# Altium PCB AiwacA33.PcbDoc (part 11 of 14)
Units mm, origin at the board's own origin, x right, y up, seen from the top; angles counter-clockwise.
Board outline 84.06 x 74 mm, 2 copper layers (Top Layer, Bottom Layer); 141 components, 152 nets, 23205 pads, 852 vias.
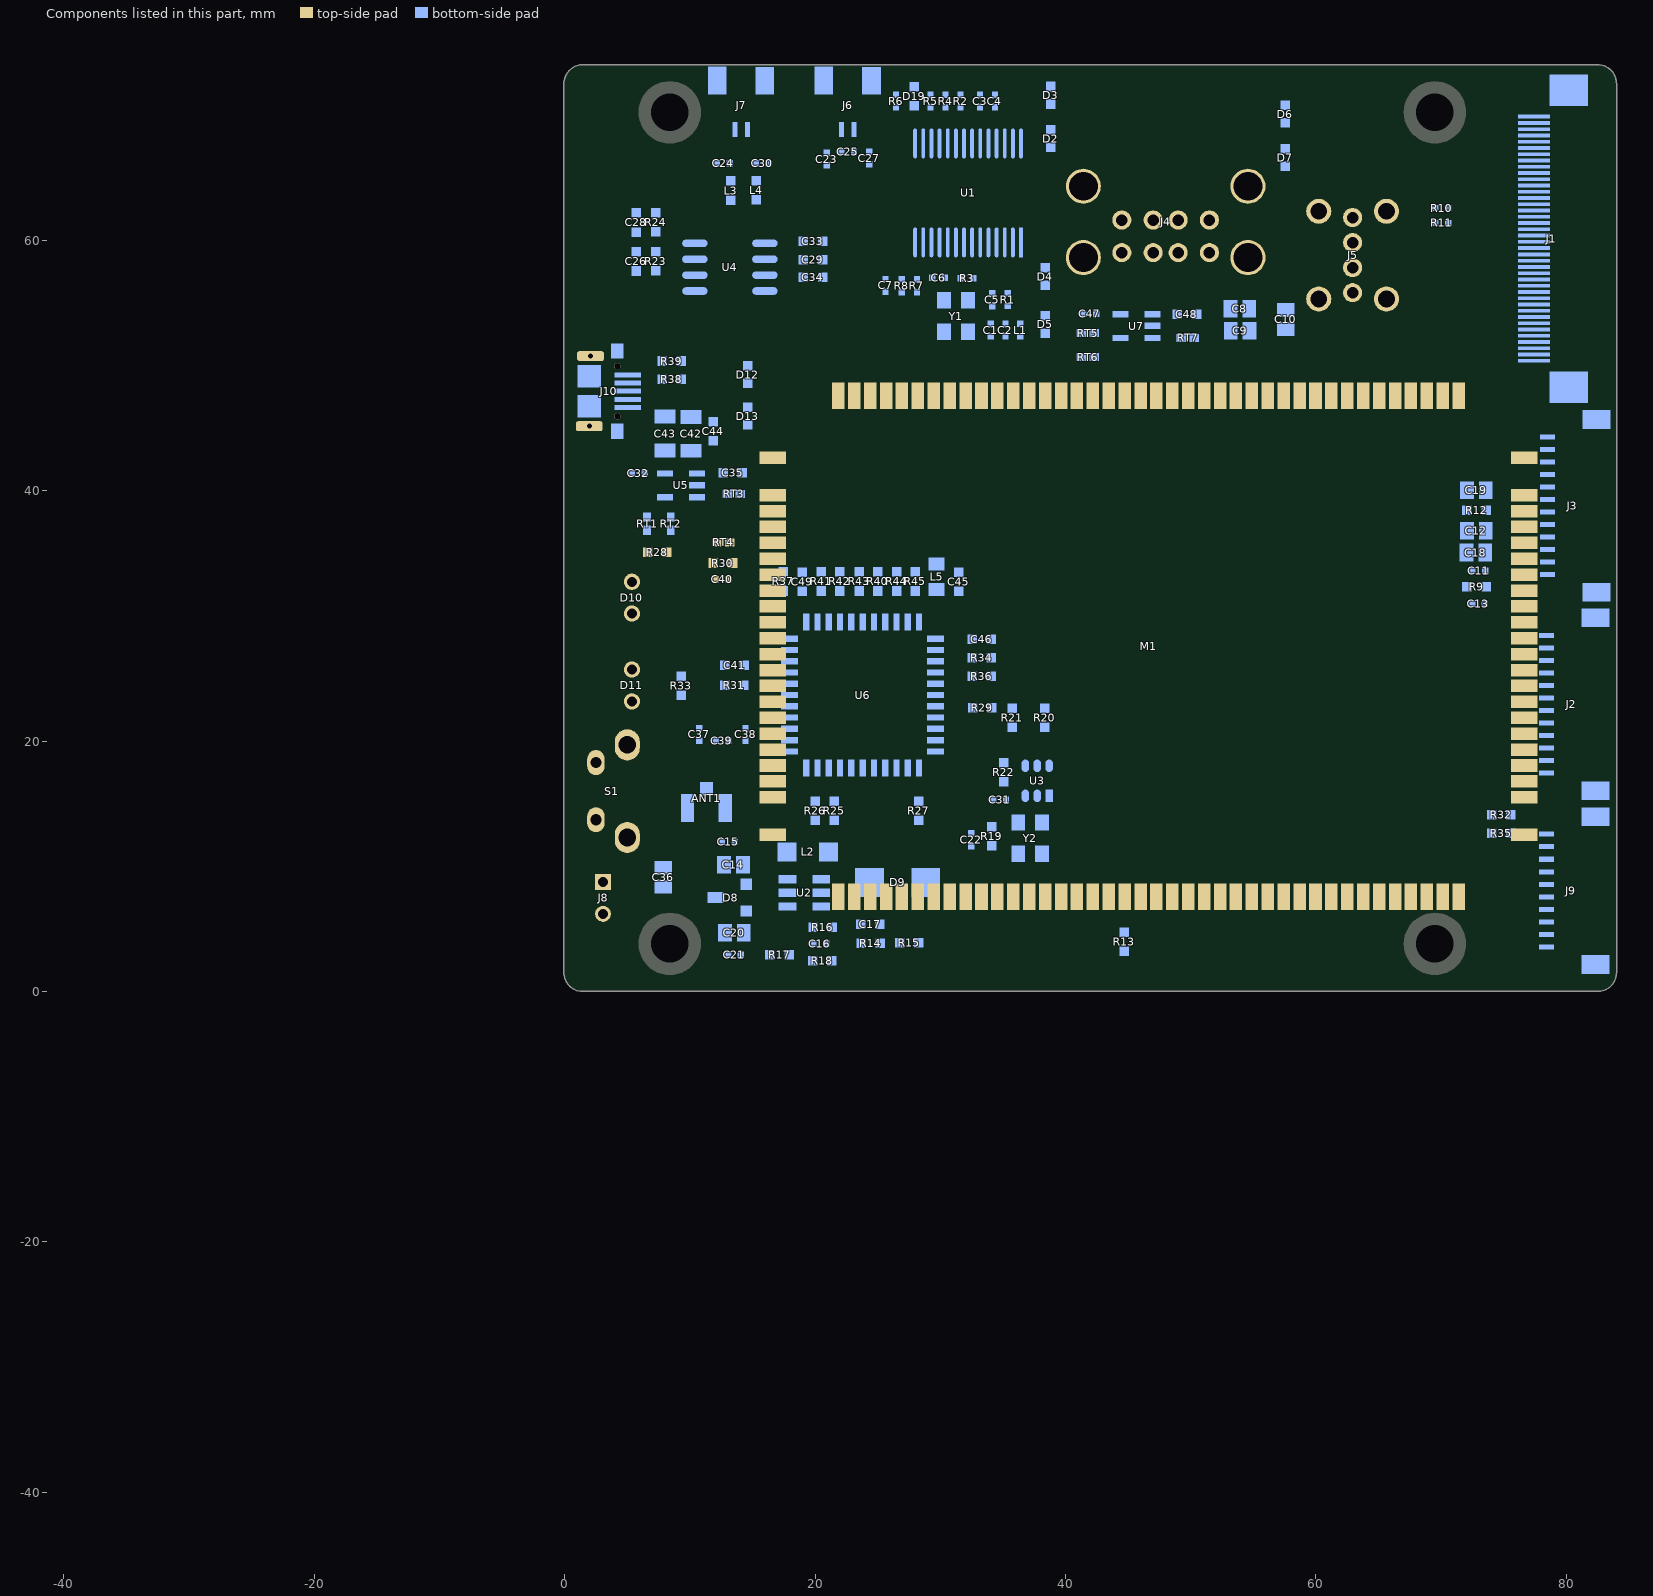
[diagram p11: the components of this part, seen from the top]

## Free pads (board coordinates) (continued)
  round 0 on Mech16: 1(-39.05,-44.101) 1(-39.05,-44.101) 1(-39.05,-44.101) 1(-39.05,-44.098) 1(-39.05,-44.098) 1(-39.05,-44.098) 1(-39.05,-44.112) 1(-39.05,-44.112) 1(-39.05,-44.112) 1(-39.049,-44.142) 1(-39.049,-44.142) 1(-39.049,-44.142) 1(-39.049,-44.146) 1(-39.049,-44.146) 1(-39.049,-44.146) 1(-39.049,-44.111) 1(-39.049,-44.111) 1(-39.049,-44.111) 1(-39.049,-44.103) 1(-39.049,-44.103) 1(-39.049,-44.103) 1(-39.048,-44.137) 1(-39.048,-44.137) 1(-39.048,-44.137) 1(-39.048,-44.133) 1(-39.048,-44.133) 1(-39.048,-44.133) 1(-39.048,-44.124) 1(-39.048,-44.124) 1(-39.048,-44.124) 1(-39.048,-44.099) 1(-39.048,-44.099) 1(-39.048,-44.099) 1(-39.048,-44.13) 1(-39.048,-44.13) 1(-39.048,-44.13) 1(-39.048,-44.116) 1(-39.048,-44.116) 1(-39.048,-44.116) 1(-39.047,-44.137) 1(-39.047,-44.137) 1(-39.047,-44.137) 1(-39.047,-44.119) 1(-39.047,-44.119) 1(-39.047,-44.119) 1(-39.047,-44.108) 1(-39.047,-44.108) 1(-39.047,-44.108) 1(-39.047,-44.106) 1(-39.047,-44.106) 1(-39.047,-44.106) 1(-39.047,-44.145) 1(-39.047,-44.145) 1(-39.047,-44.145) 1(-39.047,-44.122) 1(-39.047,-44.122) 1(-39.047,-44.122) 1(-39.047,-44.142) 1(-39.047,-44.142) 1(-39.047,-44.142) 1(-39.047,-44.127) 1(-39.047,-44.127) 1(-39.047,-44.127) 1(-39.047,-44.113) 1(-39.047,-44.113) 1(-39.047,-44.113) 1(-39.046,-44.109) 1(-39.046,-44.109) 1(-39.046,-44.109) 1(-39.046,-44.105) 1(-39.046,-44.105) 1(-39.046,-44.105) 1(-39.046,-44.099) 1(-39.046,-44.099) 1(-39.046,-44.099) 1(-39.046,-44.139) 1(-39.046,-44.139) 1(-39.046,-44.139) 1(-39.046,-44.137) 1(-39.046,-44.137) 1(-39.046,-44.137) 1(-39.046,-44.136) 1(-39.046,-44.136) 1(-39.046,-44.136) 1(-39.046,-44.134) 1(-39.046,-44.134) 1(-39.046,-44.134) 1(-39.045,-44.102) 1(-39.045,-44.102) 1(-39.045,-44.102) 1(-39.045,-44.114) 1(-39.045,-44.114) 1(-39.045,-44.114) 1(-39.045,-44.111) 1(-39.045,-44.111) 1(-39.045,-44.111) 1(-39.045,-44.144) 1(-39.045,-44.144) 1(-39.045,-44.144) 1(-39.045,-44.147) 1(-39.045,-44.147) 1(-39.045,-44.147) 1(-39.045,-44.151) 1(-39.045,-44.151) 1(-39.045,-44.151) 1(-39.045,-44.097) 1(-39.045,-44.097) 1(-39.045,-44.097) 1(-39.045,-44.131) 1(-39.045,-44.131) 1(-39.045,-44.131) 1(-39.045,-44.127) 1(-39.045,-44.127) 1(-39.045,-44.127) 1(-39.045,-44.13) 1(-39.045,-44.13) 1(-39.045,-44.13) 1(-39.045,-44.128) 1(-39.045,-44.128) 1(-39.045,-44.128) 1(-39.045,-44.105) 1(-39.045,-44.105) 1(-39.045,-44.105) 1(-39.044,-44.109) 1(-39.044,-44.109) 1(-39.044,-44.109) 1(-39.044,-44.118) 1(-39.044,-44.118) 1(-39.044,-44.118) 1(-39.044,-44.1) 1(-39.044,-44.1) 1(-39.044,-44.1) 1(-39.044,-44.094) 1(-39.044,-44.094) 1(-39.044,-44.094) 1(-39.044,-44.148) 1(-39.044,-44.148) 1(-39.044,-44.148) 1(-39.043,-44.112) 1(-39.043,-44.112) 1(-39.043,-44.112) 1(-39.043,-44.145) 1(-39.043,-44.145) 1(-39.043,-44.145) 1(-39.043,-44.125) 1(-39.043,-44.125) 1(-39.043,-44.125) 1(-39.043,-44.134) 1(-39.043,-44.134) 1(-39.043,-44.134) 1(-39.042,-44.141) 1(-39.042,-44.141) 1(-39.042,-44.141) 1(-39.042,-44.138) 1(-39.042,-44.138) 1(-39.042,-44.138) 1(-39.042,-44.132) 1(-39.042,-44.132) 1(-39.042,-44.132) 1(-39.042,-44.13) 1(-39.042,-44.13) 1(-39.042,-44.13) 1(-39.042,-44.106) 1(-39.042,-44.106) 1(-39.042,-44.106) 1(-39.042,-44.124) 1(-39.042,-44.124) 1(-39.042,-44.124) 1(-39.042,-44.128) 1(-39.042,-44.128) 1(-39.042,-44.128) 1(-39.042,-44.114) 1(-39.042,-44.114) 1(-39.042,-44.114) 1(-39.042,-44.115) 1(-39.042,-44.115) 1(-39.042,-44.115) 1(-39.042,-44.144) 1(-39.042,-44.144) 1(-39.042,-44.144) 1(-39.042,-44.133) 1(-39.042,-44.133) 1(-39.042,-44.133) 1(-39.042,-44.136) 1(-39.042,-44.136) 1(-39.042,-44.136) 1(-39.042,-44.103) 1(-39.042,-44.103) 1(-39.042,-44.103) 1(-39.042,-44.138) 1(-39.042,-44.138) 1(-39.042,-44.138) 1(-39.041,-44.111) 1(-39.041,-44.111) 1(-39.041,-44.111) 1(-39.041,-44.146) 1(-39.041,-44.146) 1(-39.041,-44.146) 1(-39.041,-44.101) 1(-39.041,-44.101) 1(-39.041,-44.101) 1(-39.041,-44.148) 1(-39.041,-44.148) 1(-39.041,-44.148) 1(-39.04,-44.141) 1(-39.04,-44.141) 1(-39.04,-44.141) 1(-39.04,-44.11) 1(-39.04,-44.11) 1(-39.04,-44.11) 1(-39.04,-44.1) 1(-39.04,-44.1) 1(-39.04,-44.1) 1(-39.039,-44.15) 1(-39.039,-44.15) 1(-39.039,-44.15) 1(-39.039,-44.121) 1(-39.039,-44.121) 1(-39.039,-44.121) 1(-39.039,-44.118) 1(-39.039,-44.118) 1(-39.039,-44.118) 1(-39.039,-44.116) 1(-39.039,-44.116) 1(-39.039,-44.116) 1(-39.039,-44.123) 1(-39.039,-44.123) 1(-39.039,-44.123) 1(-39.039,-44.119) 1(-39.039,-44.119) 1(-39.039,-44.119) 1(-39.039,-44.137) 1(-39.039,-44.137) 1(-39.039,-44.137) 1(-39.039,-44.133) 1(-39.039,-44.133) 1(-39.039,-44.133) 1(-39.039,-44.134) 1(-39.039,-44.134) 1(-39.039,-44.134) 1(-39.039,-44.114) 1(-39.039,-44.114) 1(-39.039,-44.114) 1(-39.039,-44.13) 1(-39.039,-44.13) 1(-39.039,-44.13) 1(-39.039,-44.115) 1(-39.039,-44.115) 1(-39.039,-44.115) 1(-39.038,-44.112) 1(-39.038,-44.112) 1(-39.038,-44.112) 1(-39.038,-44.125) 1(-39.038,-44.125) 1(-39.038,-44.125) 1(-39.038,-44.11) 1(-39.038,-44.11) 1(-39.038,-44.11) 1(-39.038,-44.141) 1(-39.038,-44.141) 1(-39.038,-44.141) 1(-39.038,-44.13) 1(-39.038,-44.13) 1(-39.038,-44.13) 1(-39.038,-44.144) 1(-39.038,-44.144) 1(-39.038,-44.144) 1(-39.038,-44.115) 1(-39.038,-44.115) 1(-39.038,-44.115) 1(-39.038,-44.132) 1(-39.038,-44.132) 1(-39.038,-44.132) 1(-39.038,-44.145) 1(-39.038,-44.145) 1(-39.038,-44.145) 1(-39.038,-44.134) 1(-39.038,-44.134) 1(-39.038,-44.134) 1(-39.037,-44.141) 1(-39.037,-44.141) 1(-39.037,-44.141) 1(-39.037,-44.138) 1(-39.037,-44.138) 1(-39.037,-44.138) 1(-39.037,-44.1) 1(-39.037,-44.1) 1(-39.037,-44.1) 1(-39.037,-44.094) 1(-39.037,-44.094) 1(-39.037,-44.094) 1(-39.037,-44.12) 1(-39.037,-44.12) 1(-39.037,-44.12) 1(-39.037,-44.112) 1(-39.037,-44.112) 1(-39.037,-44.112) 1(-39.037,-44.133) 1(-39.037,-44.133) 1(-39.037,-44.133) 1(-39.036,-44.147) 1(-39.036,-44.147) 1(-39.036,-44.147) 1(-39.036,-44.115) 1(-39.036,-44.115) 1(-39.036,-44.115) 1(-39.036,-44.137) 1(-39.036,-44.137) 1(-39.036,-44.137) 1(-39.036,-44.128) 1(-39.036,-44.128) 1(-39.036,-44.128) 1(-39.036,-44.114) 1(-39.036,-44.114) 1(-39.036,-44.114) 1(-39.036,-44.131) 1(-39.036,-44.131) 1(-39.036,-44.131) 1(-39.036,-44.11) 1(-39.036,-44.11) 1(-39.036,-44.11) 1(-39.035,-44.094) 1(-39.035,-44.094) 1(-39.035,-44.094) 1(-39.035,-44.121) 1(-39.035,-44.121) 1(-39.035,-44.121) 1(-39.035,-44.12) 1(-39.035,-44.12) 1(-39.035,-44.12) 1(-39.035,-44.113) 1(-39.035,-44.113) 1(-39.035,-44.113) 1(-39.035,-44.1) 1(-39.035,-44.1) 1(-39.035,-44.1) 1(-39.035,-44.117) 1(-39.035,-44.117) 1(-39.035,-44.117) 1(-39.035,-44.128) 1(-39.035,-44.128) 1(-39.035,-44.128) 1(-39.035,-44.141) 1(-39.035,-44.141) 1(-39.035,-44.141) 1(-39.035,-44.125) 1(-39.035,-44.125) 1(-39.035,-44.125) 1(-39.035,-44.123) 1(-39.035,-44.123) 1(-39.035,-44.123) 1(-39.035,-44.132) 1(-39.035,-44.132) 1(-39.035,-44.132) 1(-39.035,-44.137) 1(-39.035,-44.137) 1(-39.035,-44.137) 1(-39.035,-44.135) 1(-39.035,-44.135) 1(-39.035,-44.135) 1(-39.034,-44.13) 1(-39.034,-44.13) 1(-39.034,-44.13) 1(-39.034,-44.111) 1(-39.034,-44.111) 1(-39.034,-44.111) 1(-39.034,-44.147) 1(-39.034,-44.147) 1(-39.034,-44.147) 1(-39.034,-44.116) 1(-39.034,-44.116) 1(-39.034,-44.116) 1(-39.034,-44.123) 1(-39.034,-44.123) 1(-39.034,-44.123) 1(-39.034,-44.137) 1(-39.034,-44.137) 1(-39.034,-44.137) 1(-39.034,-44.121) 1(-39.034,-44.121) 1(-39.034,-44.121) 1(-39.034,-44.136) 1(-39.034,-44.136) 1(-39.034,-44.136) 1(-39.034,-44.128) 1(-39.034,-44.128) 1(-39.034,-44.128) 1(-39.034,-44.103) 1(-39.034,-44.103) 1(-39.034,-44.103) 1(-39.033,-44.106) 1(-39.033,-44.106) 1(-39.033,-44.106) 1(-39.033,-44.151) 1(-39.033,-44.151) 1(-39.033,-44.151) 1(-39.033,-44.113) 1(-39.033,-44.113) 1(-39.033,-44.113) 1(-39.033,-44.143) 1(-39.033,-44.143) 1(-39.033,-44.143) 1(-39.032,-44.103) 1(-39.032,-44.103) 1(-39.032,-44.103) 1(-39.032,-44.147) 1(-39.032,-44.147) 1(-39.032,-44.147) 1(-39.032,-44.099) 1(-39.032,-44.099) 1(-39.032,-44.099) 1(-39.032,-44.108) 1(-39.032,-44.108) 1(-39.032,-44.108) 1(-39.032,-44.116) 1(-39.032,-44.116) 1(-39.032,-44.116) 1(-39.032,-44.138) 1(-39.032,-44.138) 1(-39.032,-44.138) 1(-39.032,-44.122) 1(-39.032,-44.122) 1(-39.032,-44.122) 1(-39.032,-44.135) 1(-39.032,-44.135) 1(-39.032,-44.135) 1(-39.032,-44.132) 1(-39.032,-44.132) 1(-39.032,-44.132) 1(-39.032,-44.115) 1(-39.032,-44.115) 1(-39.032,-44.115) 1(-39.031,-44.11) 1(-39.031,-44.11) 1(-39.031,-44.11) 1(-39.031,-44.148) 1(-39.031,-44.148) 1(-39.031,-44.148) 1(-39.031,-44.143) 1(-39.031,-44.143) 1(-39.031,-44.143) 1(-39.031,-44.136) 1(-39.031,-44.136) 1(-39.031,-44.136) 1(-39.031,-44.102) 1(-39.031,-44.102) 1(-39.031,-44.102) 1(-39.031,-44.117) 1(-39.031,-44.117) 1(-39.031,-44.117) 1(-39.031,-44.141) 1(-39.031,-44.141) 1(-39.031,-44.141) 1(-39.031,-44.098) 1(-39.031,-44.098) 1(-39.031,-44.098) 1(-39.031,-44.133) 1(-39.031,-44.133) 1(-39.031,-44.133) 1(-39.031,-44.12) 1(-39.031,-44.12) 1(-39.031,-44.12) 1(-39.031,-44.128) 1(-39.031,-44.128) 1(-39.031,-44.128) 1(-39.031,-44.14) 1(-39.031,-44.14) 1(-39.031,-44.14) 1(-39.03,-44.138) 1(-39.03,-44.138) 1(-39.03,-44.138) 1(-39.03,-44.137) 1(-39.03,-44.137) 1(-39.03,-44.137) 1(-39.03,-44.14) 1(-39.03,-44.14) 1(-39.03,-44.14) 1(-39.03,-44.116) 1(-39.03,-44.116) 1(-39.03,-44.116) 1(-39.03,-44.102) 1(-39.03,-44.102) 1(-39.03,-44.102) 1(-39.03,-44.103) 1(-39.03,-44.103) 1(-39.03,-44.103) 1(-39.03,-44.11) 1(-39.03,-44.11) 1(-39.03,-44.11) 1(-39.03,-44.107) 1(-39.03,-44.107) 1(-39.03,-44.107) 1(-39.03,-44.106) 1(-39.03,-44.106) 1(-39.03,-44.106) 1(-39.03,-44.142) 1(-39.03,-44.142) 1(-39.03,-44.142) 1(-39.03,-44.124) 1(-39.03,-44.124) 1(-39.03,-44.124) 1(-39.03,-44.097) 1(-39.03,-44.097) 1(-39.03,-44.097) 1(-39.03,-44.139) 1(-39.03,-44.139) 1(-39.03,-44.139) 1(-39.03,-44.125) 1(-39.03,-44.125) 1(-39.03,-44.125) 1(-39.029,-44.138) 1(-39.029,-44.138) 1(-39.029,-44.138) 1(-39.029,-44.113) 1(-39.029,-44.113) 1(-39.029,-44.113) 1(-39.029,-44.115) 1(-39.029,-44.115) 1(-39.029,-44.115) 1(-39.029,-44.131) 1(-39.029,-44.131) 1(-39.029,-44.131) 1(-39.029,-44.133) 1(-39.029,-44.133) 1(-39.029,-44.133) 1(-39.029,-44.124) 1(-39.029,-44.124) 1(-39.029,-44.124) 1(-39.029,-44.115) 1(-39.029,-44.115) 1(-39.029,-44.115) 1(-39.029,-44.132) 1(-39.029,-44.132) 1(-39.029,-44.132) 1(-39.029,-44.129) 1(-39.029,-44.129) 1(-39.029,-44.129) 1(-39.029,-44.097) 1(-39.029,-44.097) 1(-39.029,-44.097) 1(-39.029,-44.122) 1(-39.029,-44.122) 1(-39.029,-44.122) 1(-39.029,-44.119) 1(-39.029,-44.119) 1(-39.029,-44.119) 1(-39.028,-44.127) 1(-39.028,-44.127) 1(-39.028,-44.127) 1(-39.028,-44.118) 1(-39.028,-44.118) 1(-39.028,-44.118) 1(-39.028,-44.14) 1(-39.028,-44.14) 1(-39.028,-44.14) 1(-39.028,-44.135) 1(-39.028,-44.135) 1(-39.028,-44.135) 1(-39.027,-44.107) 1(-39.027,-44.107) 1(-39.027,-44.107) 1(-39.027,-44.1) 1(-39.027,-44.1) 1(-39.027,-44.1) 1(-39.027,-44.14) 1(-39.027,-44.14) 1(-39.027,-44.14) 1(-39.027,-44.138) 1(-39.027,-44.138) 1(-39.027,-44.138) 1(-39.027,-44.102) 1(-39.027,-44.102) 1(-39.027,-44.102) 1(-39.027,-44.121) 1(-39.027,-44.121) 1(-39.027,-44.121) 1(-39.027,-44.117) 1(-39.027,-44.117) 1(-39.027,-44.117) 1(-39.027,-44.142) 1(-39.027,-44.142) 1(-39.027,-44.142) 1(-39.027,-44.096) 1(-39.027,-44.096) 1(-39.027,-44.096) 1(-39.027,-44.151) 1(-39.027,-44.151) 1(-39.027,-44.151) 1(-39.027,-44.126) 1(-39.027,-44.126) 1(-39.027,-44.126) 1(-39.026,-44.102) 1(-39.026,-44.102) 1(-39.026,-44.102) 1(-39.026,-44.107) 1(-39.026,-44.107) 1(-39.026,-44.107) 1(-39.026,-44.14) 1(-39.026,-44.14) 1(-39.026,-44.14) 1(-39.026,-44.103) 1(-39.026,-44.103) 1(-39.026,-44.103) 1(-39.026,-44.149) 1(-39.026,-44.149) 1(-39.026,-44.149) 1(-39.026,-44.122) 1(-39.026,-44.122) 1(-39.026,-44.122) 1(-39.025,-44.139) 1(-39.025,-44.139) 1(-39.025,-44.139) 1(-39.025,-44.119) 1(-39.025,-44.119) 1(-39.025,-44.119) 1(-39.025,-44.128) 1(-39.025,-44.128) 1(-39.025,-44.128) 1(-39.025,-44.106) 1(-39.025,-44.106) 1(-39.025,-44.106) 1(-39.025,-44.102) 1(-39.025,-44.102) 1(-39.025,-44.102) 1(-39.025,-44.116) 1(-39.025,-44.116) 1(-39.025,-44.116) 1(-39.025,-44.136) 1(-39.025,-44.136) 1(-39.025,-44.136) 1(-39.025,-44.096) 1(-39.025,-44.096) 1(-39.025,-44.096) 1(-39.025,-44.127) 1(-39.025,-44.127) 1(-39.025,-44.127) 1(-39.025,-44.126) 1(-39.025,-44.126) 1(-39.025,-44.126) 1(-39.025,-44.131) 1(-39.025,-44.131) 1(-39.025,-44.131) 1(-39.024,-44.108) 1(-39.024,-44.108) 1(-39.024,-44.108) 1(-39.024,-44.124) 1(-39.024,-44.124) 1(-39.024,-44.124) 1(-39.024,-44.128) 1(-39.024,-44.128) 1(-39.024,-44.128) 1(-39.024,-44.149) 1(-39.024,-44.149) 1(-39.024,-44.149) 1(-39.024,-44.133) 1(-39.024,-44.133) 1(-39.024,-44.133) 1(-39.024,-44.107) 1(-39.024,-44.107) 1(-39.024,-44.107) 1(-39.023,-44.142) 1(-39.023,-44.142) 1(-39.023,-44.142) 1(-39.023,-44.14) 1(-39.023,-44.14) 1(-39.023,-44.14) 1(-39.023,-44.106) 1(-39.023,-44.106) 1(-39.023,-44.106) 1(-39.023,-44.127) 1(-39.023,-44.127) 1(-39.023,-44.127) 1(-39.023,-44.122) 1(-39.023,-44.122) 1(-39.023,-44.122) 1(-39.023,-44.122) 1(-39.023,-44.122) 1(-39.023,-44.122) 1(-39.022,-44.141) 1(-39.022,-44.141) 1(-39.022,-44.141) 1(-39.022,-44.139) 1(-39.022,-44.139) 1(-39.022,-44.139) 1(-39.022,-44.102) 1(-39.022,-44.102) 1(-39.022,-44.102) 1(-39.022,-44.097) 1(-39.022,-44.097) 1(-39.022,-44.097) 1(-39.022,-44.131) 1(-39.022,-44.131) 1(-39.022,-44.131) 1(-39.022,-44.149) 1(-39.022,-44.149) 1(-39.022,-44.149) 1(-39.022,-44.14) 1(-39.022,-44.14) 1(-39.022,-44.14) 1(-39.022,-44.103) 1(-39.022,-44.103) 1(-39.022,-44.103) 1(-39.022,-44.125) 1(-39.022,-44.125) 1(-39.022,-44.125) 1(-39.022,-44.123) 1(-39.022,-44.123) 1(-39.022,-44.123) 1(-39.022,-44.115) 1(-39.022,-44.115) 1(-39.022,-44.115) 1(-39.022,-44.127) 1(-39.022,-44.127) 1(-39.022,-44.127) 1(-39.022,-44.119) 1(-39.022,-44.119) 1(-39.022,-44.119) 1(-39.021,-44.102) 1(-39.021,-44.102) 1(-39.021,-44.102) 1(-39.021,-44.143) 1(-39.021,-44.143) 1(-39.021,-44.143) 1(-39.021,-44.135) 1(-39.021,-44.135) 1(-39.021,-44.135) 1(-39.021,-44.138) 1(-39.021,-44.138) 1(-39.021,-44.138) 1(-39.02,-44.113) 1(-39.02,-44.113) 1(-39.02,-44.113) 1(-39.02,-44.151) 1(-39.02,-44.151) 1(-39.02,-44.151) 1(-39.02,-44.149) 1(-39.02,-44.149) 1(-39.02,-44.149) 1(-39.02,-44.143) 1(-39.02,-44.143) 1(-39.02,-44.143) 1(-39.02,-44.094) 1(-39.02,-44.094) 1(-39.02,-44.094) 1(-39.019,-44.103) 1(-39.019,-44.103) 1(-39.019,-44.103) 1(-39.019,-44.138) 1(-39.019,-44.138) 1(-39.019,-44.138) 1(-39.019,-44.13) 1(-39.019,-44.13) 1(-39.019,-44.13) 1(-39.019,-44.132) 1(-39.019,-44.132) 1(-39.019,-44.132) 1(-39.018,-44.14) 1(-39.018,-44.14) 1(-39.018,-44.14) 1(-39.018,-44.134) 1(-39.018,-44.134) 1(-39.018,-44.134) 1(-39.018,-44.139) 1(-39.018,-44.139) 1(-39.018,-44.139) 1(-39.018,-44.129) 1(-39.018,-44.129) 1(-39.018,-44.129) 1(-39.018,-44.147) 1(-39.018,-44.147) 1(-39.018,-44.147) 1(-39.018,-44.103) 1(-39.018,-44.103) 1(-39.018,-44.103) 1(-39.017,-44.131) 1(-39.017,-44.131) 1(-39.017,-44.131) 1(-39.017,-44.133) 1(-39.017,-44.133) 1(-39.017,-44.133) 1(-39.017,-44.134) 1(-39.017,-44.134) 1(-39.017,-44.134) 1(-39.017,-44.128) 1(-39.017,-44.128) 1(-39.017,-44.128) 1(-39.017,-44.113) 1(-39.017,-44.113) 1(-39.017,-44.113) 1(-39.017,-44.142) 1(-39.017,-44.142) 1(-39.017,-44.142) 1(-39.016,-44.136) 1(-39.016,-44.136) 1(-39.016,-44.136) 1(-39.016,-44.134) 1(-39.016,-44.134) 1(-39.016,-44.134) 1(-39.016,-44.137) 1(-39.016,-44.137) 1(-39.016,-44.137) 1(-39.016,-44.129) 1(-39.016,-44.129) 1(-39.016,-44.129) 1(-39.015,-44.148) 1(-39.015,-44.148) 1(-39.015,-44.148) 1(-39.015,-44.14) 1(-39.015,-44.14) 1(-39.015,-44.14) 1(-39.014,-44.135) 1(-39.014,-44.135) 1(-39.014,-44.135) 1(-39.014,-44.138) 1(-39.014,-44.138) 1(-39.014,-44.138) 1(-39.014,-44.136) 1(-39.014,-44.136) 1(-39.014,-44.136) 1(-39.014,-44.142) 1(-39.014,-44.142) 1(-39.014,-44.142) 1(-39.014,-44.129) 1(-39.014,-44.129) 1(-39.014,-44.129) 1(-39.013,-44.136) 1(-39.013,-44.136) 1(-39.013,-44.136) 1(-39.013,-44.14) 1(-39.013,-44.14) 1(-39.013,-44.14) 1(-39.013,-44.113) 1(-39.013,-44.113) 1(-39.013,-44.113) 1(-39.013,-44.139) 1(-39.013,-44.139) 1(-39.013,-44.139) 1(-39.013,-44.135) 1(-39.013,-44.135) 1(-39.013,-44.135) 1(-39.013,-44.112) 1(-39.013,-44.112) 1(-39.013,-44.112) 1(-39.013,-44.131) 1(-39.013,-44.131) 1(-39.013,-44.131) 1(-39.013,-44.15) 1(-39.013,-44.15) 1(-39.013,-44.15) 1(-39.013,-44.134) 1(-39.013,-44.134) 1(-39.013,-44.134) 1(-39.013,-44.141) 1(-39.013,-44.141) 1(-39.013,-44.141) 1(-39.013,-44.096) 1(-39.013,-44.096) 1(-39.013,-44.096) 1(-39.012,-44.11) 1(-39.012,-44.11) 1(-39.012,-44.11) 1(-39.012,-44.137) 1(-39.012,-44.137) 1(-39.012,-44.137) 1(-39.012,-44.14) 1(-39.012,-44.14) 1(-39.012,-44.14) 1(-39.012,-44.133) 1(-39.012,-44.133) 1(-39.012,-44.133) 1(-39.012,-44.135) 1(-39.012,-44.135) 1(-39.012,-44.135) 1(-39.012,-44.138) 1(-39.012,-44.138) 1(-39.012,-44.138) 1(-39.012,-44.128) 1(-39.012,-44.128) 1(-39.012,-44.128) 1(-39.012,-44.141) 1(-39.012,-44.141) 1(-39.012,-44.141) 1(-39.012,-44.129) 1(-39.012,-44.129) 1(-39.012,-44.129) 1(-39.011,-44.132) 1(-39.011,-44.132) 1(-39.011,-44.132) 1(-39.011,-44.144) 1(-39.011,-44.144) 1(-39.011,-44.144) 1(-39.01,-44.112) 1(-39.01,-44.112) 1(-39.01,-44.112) 1(-39.01,-44.15) 1(-39.01,-44.15) 1(-39.01,-44.15) 1(-39.009,-44.137) 1(-39.009,-44.137) 1(-39.009,-44.137) 1(-39.009,-44.13) 1(-39.009,-44.13) 1(-39.009,-44.13) 1(-39.009,-44.11) 1(-39.009,-44.11) 1(-39.009,-44.11) 1(-39.009,-44.14) 1(-39.009,-44.14) 1(-39.009,-44.14) 1(-39.009,-44.135) 1(-39.009,-44.135) 1(-39.009,-44.135) 1(-39.009,-44.113) 1(-39.009,-44.113) 1(-39.009,-44.113) 1(-39.009,-44.137) 1(-39.009,-44.137) 1(-39.009,-44.137) 1(-39.009,-44.095) 1(-39.009,-44.095) 1(-39.009,-44.095) 1(-39.009,-44.129) 1(-39.009,-44.129) 1(-39.009,-44.129) 1(-39.008,-44.128) 1(-39.008,-44.128) 1(-39.008,-44.128) 1(-39.008,-44.136) 1(-39.008,-44.136) 1(-39.008,-44.136) 1(-39.008,-44.097) 1(-39.008,-44.097) 1(-39.008,-44.097) 1(-39.008,-44.14) 1(-39.008,-44.14) 1(-39.008,-44.14) 1(-39.008,-44.137) 1(-39.008,-44.137) 1(-39.008,-44.137) 1(-39.007,-44.135) 1(-39.007,-44.135) 1(-39.007,-44.135) 1(-39.007,-44.134) 1(-39.007,-44.134) 1(-39.007,-44.134) 1(-39.007,-44.133) 1(-39.007,-44.133) 1(-39.007,-44.133) 1(-39.007,-44.128) 1(-39.007,-44.128) 1(-39.007,-44.128) 1(-39.007,-44.113) 1(-39.007,-44.113) 1(-39.007,-44.113) 1(-39.007,-44.112) 1(-39.007,-44.112) 1(-39.007,-44.112) 1(-39.006,-44.14) 1(-39.006,-44.14) 1(-39.006,-44.14) 1(-39.006,-44.137) 1(-39.006,-44.137) 1(-39.006,-44.137) 1(-39.006,-44.132) 1(-39.006,-44.132) 1(-39.006,-44.132) 1(-39.006,-44.106) 1(-39.006,-44.106) 1(-39.006,-44.106) 1(-39.005,-44.15) 1(-39.005,-44.15) 1(-39.005,-44.15) 1(-39.005,-44.107) 1(-39.005,-44.107) 1(-39.005,-44.107) 1(-39.005,-44.131) 1(-39.005,-44.131) 1(-39.005,-44.131) 1(-39.005,-44.134) 1(-39.005,-44.134) 1(-39.005,-44.134) 1(-39.005,-44.139) 1(-39.005,-44.139) 1(-39.005,-44.139) 1(-39.005,-44.137) 1(-39.005,-44.137) 1(-39.005,-44.137) 1(-39.005,-44.14) 1(-39.005,-44.14) 1(-39.005,-44.14) 1(-39.004,-44.117) 1(-39.004,-44.117) 1(-39.004,-44.117) 1(-39.004,-44.118) 1(-39.004,-44.118) 1(-39.004,-44.118) 1(-39.004,-44.115) 1(-39.004,-44.115) 1(-39.004,-44.115) 1(-39.004,-44.125) 1(-39.004,-44.125) 1(-39.004,-44.125) 1(-39.004,-44.124) 1(-39.004,-44.124) 1(-39.004,-44.124) 1(-39.004,-44.137) 1(-39.004,-44.137) 1(-39.004,-44.137) 1(-39.004,-44.134) 1(-39.004,-44.134) 1(-39.004,-44.134) 1(-39.004,-44.139) 1(-39.004,-44.139) 1(-39.004,-44.139) 1(-39.003,-44.117) 1(-39.003,-44.117) 1(-39.003,-44.117) 1(-39.003,-44.114) 1(-39.003,-44.114) 1(-39.003,-44.114) 1(-39.003,-44.122) 1(-39.003,-44.122) 1(-39.003,-44.122) 1(-39.003,-44.116) 1(-39.003,-44.116) 1(-39.003,-44.116) 1(-39.003,-44.097) 1(-39.003,-44.097) 1(-39.003,-44.097) 1(-39.003,-44.126) 1(-39.003,-44.126) 1(-39.003,-44.126) 1(-39.003,-44.151) 1(-39.003,-44.151) 1(-39.003,-44.151) 1(-39.003,-44.15) 1(-39.003,-44.15) 1(-39.003,-44.15) 1(-39.003,-44.095) 1(-39.003,-44.095) 1(-39.003,-44.095) 1(-39.002,-44.131) 1(-39.002,-44.131) 1(-39.002,-44.131) 1(-39.002,-44.133) 1(-39.002,-44.133) 1(-39.002,-44.133) 1(-39.002,-44.111) 1(-39.002,-44.111) 1(-39.002,-44.111) 1(-39.002,-44.123) 1(-39.002,-44.123) 1(-39.002,-44.123) 1(-39.002,-44.13) 1(-39.002,-44.13) 1(-39.002,-44.13) 1(-39.002,-44.128) 1(-39.002,-44.128) 1(-39.002,-44.128) 1(-39.002,-44.112) 1(-39.002,-44.112) 1(-39.002,-44.112) 1(-39.002,-44.121) 1(-39.002,-44.121) 1(-39.002,-44.121) 1(-39.002,-44.126) 1(-39.002,-44.126) 1(-39.002,-44.126) 1(-39.001,-44.117) 1(-39.001,-44.117) 1(-39.001,-44.117) 1(-39.001,-44.128) 1(-39.001,-44.128) 1(-39.001,-44.128) 1(-39.001,-44.138) 1(-39.001,-44.138) 1(-39.001,-44.138) 1(-39.001,-44.129) 1(-39.001,-44.129) 1(-39.001,-44.129) 1(-39.001,-44.14) 1(-39.001,-44.14) 1(-39.001,-44.14) 1(-39.001,-44.103) 1(-39.001,-44.103) 1(-39.001,-44.103) 1(-39.001,-44.142) 1(-39.001,-44.142) 1(-39.001,-44.142) 1(-39.001,-44.12) 1(-39.001,-44.12) 1(-39.001,-44.12) 1(-39.001,-44.113) 1(-39.001,-44.113) 1(-39.001,-44.113) 1(-39,-44.127) 1(-39,-44.127) 1(-39,-44.127) 1(-39,-44.151) 1(-39,-44.151) 1(-39,-44.151) 1(-39,-44.12) 1(-39,-44.12) 1(-39,-44.12) 1(-39,-44.129) 1(-39,-44.129) 1(-39,-44.129) 1(-39,-44.123) 1(-39,-44.123) 1(-39,-44.123) 1(-39,-44.121) 1(-39,-44.121) 1(-39,-44.121) 1(-39,-44.143) 1(-39,-44.143) 1(-39,-44.143) 1(-38.999,-44.111) 1(-38.999,-44.111) 1(-38.999,-44.111) 1(-38.999,-44.139) 1(-38.999,-44.139) 1(-38.999,-44.139) 1(-38.999,-44.116) 1(-38.999,-44.116) 1(-38.999,-44.116) 1(-38.999,-44.12) 1(-38.999,-44.12) 1(-38.999,-44.12) 1(-38.999,-44.13) 1(-38.999,-44.13) 1(-38.999,-44.13) 1(-38.999,-44.119) 1(-38.999,-44.119) 1(-38.999,-44.119) 1(-38.998,-44.123) 1(-38.998,-44.123) 1(-38.998,-44.123) 1(-38.998,-44.111) 1(-38.998,-44.111) 1(-38.998,-44.111) 1(-38.998,-44.128) 1(-38.998,-44.128) 1(-38.998,-44.128) 1(-38.998,-44.127) 1(-38.998,-44.127) 1(-38.998,-44.127) 1(-38.997,-44.121) 1(-38.997,-44.121) 1(-38.997,-44.121) 1(-38.997,-44.123) 1(-38.997,-44.123) 1(-38.997,-44.123) 1(-38.997,-44.111) 1(-38.997,-44.111) 1(-38.997,-44.111) 1(-38.997,-44.143) 1(-38.997,-44.143) 1(-38.997,-44.143) 1(-38.997,-44.12) 1(-38.997,-44.12) 1(-38.997,-44.12) 1(-38.997,-44.117) 1(-38.997,-44.117) 1(-38.997,-44.117) 1(-38.996,-44.127) 1(-38.996,-44.127) 1(-38.996,-44.127) 1(-38.996,-44.103) 1(-38.996,-44.103) 1(-38.996,-44.103) 1(-38.996,-44.13) 1(-38.996,-44.13) 1(-38.996,-44.13) 1(-38.996,-44.143) 1(-38.996,-44.143) 1(-38.996,-44.143) 1(-38.996,-44.113) 1(-38.996,-44.113) 1(-38.996,-44.113) 1(-38.996,-44.148) 1(-38.996,-44.148) 1(-38.996,-44.148) 1(-38.996,-44.111) 1(-38.996,-44.111) 1(-38.996,-44.111) 1(-38.996,-44.129) 1(-38.996,-44.129) 1(-38.996,-44.129) 1(-38.995,-44.134) 1(-38.995,-44.134) 1(-38.995,-44.134) 1(-38.995,-44.117) 1(-38.995,-44.117) 1(-38.995,-44.117) 1(-38.995,-44.121) 1(-38.995,-44.121) 1(-38.995,-44.121) 1(-38.995,-44.102) 1(-38.995,-44.102) 1(-38.995,-44.102) 1(-38.995,-44.129) 1(-38.995,-44.129) 1(-38.995,-44.129) 1(-38.995,-44.12) 1(-38.995,-44.12) 1(-38.995,-44.12) 1(-38.994,-44.134) 1(-38.994,-44.134) 1(-38.994,-44.134) 1(-38.994,-44.141) 1(-38.994,-44.141) 1(-38.994,-44.141) 1(-38.994,-44.139) 1(-38.994,-44.139) 1(-38.994,-44.139) 1(-38.994,-44.137) 1(-38.994,-44.137) 1(-38.994,-44.137) 1(-38.994,-44.133) 1(-38.994,-44.133) 1(-38.994,-44.133) 1(-38.994,-44.125) 1(-38.994,-44.125) 1(-38.994,-44.125) 1(-38.994,-44.136) 1(-38.994,-44.136) 1(-38.994,-44.136) 1(-38.994,-44.148) 1(-38.994,-44.148) 1(-38.994,-44.148) 1(-38.994,-44.123) 1(-38.994,-44.123) 1(-38.994,-44.123) 1(-38.994,-44.102) 1(-38.994,-44.102) 1(-38.994,-44.102) 1(-38.993,-44.148) 1(-38.993,-44.148) 1(-38.993,-44.148) 1(-38.993,-44.116) 1(-38.993,-44.116) 1(-38.993,-44.116) 1(-38.993,-44.129) 1(-38.993,-44.129) 1(-38.993,-44.129) 1(-38.993,-44.123) 1(-38.993,-44.123) 1(-38.993,-44.123) 1(-38.993,-44.111) 1(-38.993,-44.111) 1(-38.993,-44.111) 1(-38.993,-44.095) 1(-38.993,-44.095) 1(-38.993,-44.095) 1(-38.993,-44.132) 1(-38.993,-44.132) 1(-38.993,-44.132) 1(-38.993,-44.121) 1(-38.993,-44.121) 1(-38.993,-44.121) 1(-38.993,-44.125) 1(-38.993,-44.125) 1(-38.993,-44.125) 1(-38.992,-44.118) 1(-38.992,-44.118) 1(-38.992,-44.118) 1(-38.992,-44.141) 1(-38.992,-44.141) 1(-38.992,-44.141) 1(-38.992,-44.139) 1(-38.992,-44.139) 1(-38.992,-44.139) 1(-38.992,-44.137) 1(-38.992,-44.137) 1(-38.992,-44.137) 1(-38.992,-44.135) 1(-38.992,-44.135) 1(-38.992,-44.135) 1(-38.992,-44.133) 1(-38.992,-44.133) 1(-38.992,-44.133) 1(-38.992,-44.149) 1(-38.992,-44.149) 1(-38.992,-44.149) 1(-38.992,-44.119) 1(-38.992,-44.119) 1(-38.992,-44.119) 1(-38.991,-44.102) 1(-38.991,-44.102) 1(-38.991,-44.102) 1(-38.991,-44.128) 1(-38.991,-44.128) 1(-38.991,-44.128) 1(-38.991,-44.127) 1(-38.991,-44.127) 1(-38.991,-44.127) 1(-38.991,-44.097) 1(-38.991,-44.097) 1(-38.991,-44.097) 1(-38.991,-44.122) 1(-38.991,-44.122) 1(-38.991,-44.122) 1(-38.991,-44.129) 1(-38.991,-44.129) 1(-38.991,-44.129) 1(-38.991,-44.113) 1(-38.991,-44.113) 1(-38.991,-44.113) 1(-38.991,-44.148) 1(-38.991,-44.148) 1(-38.991,-44.148) 1(-38.99,-44.148) 1(-38.99,-44.148) 1(-38.99,-44.148) 1(-38.989,-44.133) 1(-38.989,-44.133) 1(-38.989,-44.133) 1(-38.989,-44.147) 1(-38.989,-44.147) 1(-38.989,-44.147) 1(-38.989,-44.132) 1(-38.989,-44.132) 1(-38.989,-44.132) 1(-38.989,-44.137) 1(-38.989,-44.137) 1(-38.989,-44.137) 1(-38.989,-44.139) 1(-38.989,-44.139) 1(-38.989,-44.139) 1(-38.989,-44.135) 1(-38.989,-44.135) 1(-38.989,-44.135) 1(-38.989,-44.141) 1(-38.989,-44.141) 1(-38.989,-44.141) 1(-38.989,-44.115) 1(-38.989,-44.115) 1(-38.989,-44.115) 1(-38.989,-44.122) 1(-38.989,-44.122) 1(-38.989,-44.122) 1(-38.989,-44.146) 1(-38.989,-44.146) 1(-38.989,-44.146) 1(-38.989,-44.094) 1(-38.989,-44.094) 1(-38.989,-44.094) 1(-38.989,-44.102) 1(-38.989,-44.102) 1(-38.989,-44.102) 1(-38.988,-44.147) 1(-38.988,-44.147) 1(-38.988,-44.147) 1(-38.988,-44.101) 1(-38.988,-44.101) 1(-38.988,-44.101) 1(-38.988,-44.103) 1(-38.988,-44.103) 1(-38.988,-44.103) 1(-38.988,-44.148) 1(-38.988,-44.148) 1(-38.988,-44.148) 1(-38.988,-44.1) 1(-38.988,-44.1) 1(-38.988,-44.1) 1(-38.988,-44.095) 1(-38.988,-44.095) 1(-38.988,-44.095) 1(-38.988,-44.101) 1(-38.988,-44.101) 1(-38.988,-44.101) 1(-38.988,-44.103) 1(-38.988,-44.103) 1(-38.988,-44.103) 1(-38.987,-44.124) 1(-38.987,-44.124) 1(-38.987,-44.124) 1(-38.987,-44.118) 1(-38.987,-44.118) 1(-38.987,-44.118) 1(-38.987,-44.122) 1(-38.987,-44.122) 1(-38.987,-44.122) 1(-38.987,-44.141) 1(-38.987,-44.141) 1(-38.987,-44.141) 1(-38.987,-44.14) 1(-38.987,-44.14) 1(-38.987,-44.14) 1(-38.987,-44.134) 1(-38.987,-44.134) 1(-38.987,-44.134) 1(-38.987,-44.132) 1(-38.987,-44.132) 1(-38.987,-44.132) 1(-38.987,-44.135) 1(-38.987,-44.135) 1(-38.987,-44.135) 1(-38.987,-44.137) 1(-38.987,-44.137) 1(-38.987,-44.137) 1(-38.987,-44.129) 1(-38.987,-44.129) 1(-38.987,-44.129) 1(-38.987,-44.139) 1(-38.987,-44.139) 1(-38.987,-44.139) 1(-38.987,-44.117) 1(-38.987,-44.117) 1(-38.987,-44.117) 1(-38.986,-44.098) 1(-38.986,-44.098) 1(-38.986,-44.098) 1(-38.986,-44.125) 1(-38.986,-44.125) 1(-38.986,-44.125) 1(-38.986,-44.134) 1(-38.986,-44.134) 1(-38.986,-44.134) 1(-38.986,-44.097) 1(-38.986,-44.097) 1(-38.986,-44.097) 1(-38.986,-44.128) 1(-38.986,-44.128) 1(-38.986,-44.128) 1(-38.986,-44.121) 1(-38.986,-44.121) 1(-38.986,-44.121) 1(-38.986,-44.106) 1(-38.986,-44.106) 1(-38.986,-44.106) 1(-38.985,-44.142) 1(-38.985,-44.142) 1(-38.985,-44.142) 1(-38.985,-44.131) 1(-38.985,-44.131) 1(-38.985,-44.131) 1(-38.985,-44.148) 1(-38.985,-44.148) 1(-38.985,-44.148) 1(-38.985,-44.127) 1(-38.985,-44.127) 1(-38.985,-44.127) 1(-38.984,-44.147) 1(-38.984,-44.147) 1(-38.984,-44.147) 1(-38.984,-44.142) 1(-38.984,-44.142) 1(-38.984,-44.142) 1(-38.984,-44.144) 1(-38.984,-44.144) 1(-38.984,-44.144) 1(-38.984,-44.126) 1(-38.984,-44.126) 1(-38.984,-44.126) 1(-38.984,-44.131) 1(-38.984,-44.131) 1(-38.984,-44.131) 1(-38.984,-44.138) 1(-38.984,-44.138) 1(-38.984,-44.138) 1(-38.983,-44.105) 1(-38.983,-44.105) 1(-38.983,-44.105) 1(-38.983,-44.099) 1(-38.983,-44.099) 1(-38.983,-44.099) 1(-38.983,-44.128) 1(-38.983,-44.128) 1(-38.983,-44.128) 1(-38.983,-44.125) 1(-38.983,-44.125) 1(-38.983,-44.125) 1(-38.983,-44.142) 1(-38.983,-44.142) 1(-38.983,-44.142) 1(-38.983,-44.134) 1(-38.983,-44.134) 1(-38.983,-44.134) 1(-38.983,-44.124) 1(-38.983,-44.124) 1(-38.983,-44.124) 1(-38.983,-44.129) 1(-38.983,-44.129) 1(-38.983,-44.129) 1(-38.983,-44.141) 1(-38.983,-44.141) 1(-38.983,-44.141) 1(-38.982,-44.118) 1(-38.982,-44.118) 1(-38.982,-44.118) 1(-38.982,-44.123) 1(-38.982,-44.123) 1(-38.982,-44.123) 1(-38.982,-44.121) 1(-38.982,-44.121) 1(-38.982,-44.121) 1(-38.982,-44.138) 1(-38.982,-44.138) 1(-38.982,-44.138) 1(-38.982,-44.097) 1(-38.982,-44.097) 1(-38.982,-44.097) 1(-38.982,-44.15) 1(-38.982,-44.15) 1(-38.982,-44.15) 1(-38.982,-44.13) 1(-38.982,-44.13) 1(-38.982,-44.13) 1(-38.982,-44.111) 1(-38.982,-44.111) 1(-38.982,-44.111) 1(-38.982,-44.119) 1(-38.982,-44.119) 1(-38.982,-44.119) 1(-38.982,-44.114) 1(-38.982,-44.114) 1(-38.982,-44.114) 1(-38.981,-44.102) 1(-38.981,-44.102) 1(-38.981,-44.102) 1(-38.981,-44.147) 1(-38.981,-44.147) 1(-38.981,-44.147) 1(-38.981,-44.144) 1(-38.981,-44.144) 1(-38.981,-44.144) 1(-38.98,-44.109) 1(-38.98,-44.109) 1(-38.98,-44.109) 1(-38.98,-44.095) 1(-38.98,-44.095) 1(-38.98,-44.095) 1(-38.98,-44.107) 1(-38.98,-44.107) 1(-38.98,-44.107) 1(-38.98,-44.1) 1(-38.98,-44.1) 1(-38.98,-44.1) 1(-38.98,-44.11) 1(-38.98,-44.11) 1(-38.98,-44.11) 1(-38.98,-44.139) 1(-38.98,-44.139) 1(-38.98,-44.139) 1(-38.98,-44.141) 1(-38.98,-44.141) 1(-38.98,-44.141) 1(-38.98,-44.093) 1(-38.98,-44.093) 1(-38.98,-44.093) 1(-38.98,-44.148) 1(-38.98,-44.148) 1(-38.98,-44.148) 1(-38.979,-44.094) 1(-38.979,-44.094) 1(-38.979,-44.094) 1(-38.979,-44.1) 1(-38.979,-44.1) 1(-38.979,-44.1) 1(-38.979,-44.126) 1(-38.979,-44.126) 1(-38.979,-44.126) 1(-38.979,-44.134) 1(-38.979,-44.134) 1(-38.979,-44.134) 1(-38.979,-44.124) 1(-38.979,-44.124) 1(-38.979,-44.124) 1(-38.979,-44.15) 1(-38.979,-44.15) 1(-38.979,-44.15) 1(-38.979,-44.12) 1(-38.979,-44.12) 1(-38.979,-44.12) 1(-38.979,-44.14) 1(-38.979,-44.14) 1(-38.979,-44.14) 1(-38.978,-44.121) 1(-38.978,-44.121) 1(-38.978,-44.121) 1(-38.978,-44.114) 1(-38.978,-44.114) 1(-38.978,-44.114) 1(-38.978,-44.105) 1(-38.978,-44.105) 1(-38.978,-44.105) 1(-38.978,-44.112) 1(-38.978,-44.112) 1(-38.978,-44.112) 1(-38.978,-44.098) 1(-38.978,-44.098) 1(-38.978,-44.098) 1(-38.978,-44.136) 1(-38.978,-44.136) 1(-38.978,-44.136) 1(-38.978,-44.106) 1(-38.978,-44.106) 1(-38.978,-44.106) 1(-38.978,-44.133) 1(-38.978,-44.133) 1(-38.978,-44.133) 1(-38.978,-44.119) 1(-38.978,-44.119) 1(-38.978,-44.119) 1(-38.978,-44.117) 1(-38.978,-44.117) 1(-38.978,-44.117) 1(-38.978,-44.1) 1(-38.978,-44.1) 1(-38.978,-44.1) 1(-38.978,-44.115) 1(-38.978,-44.115) 1(-38.978,-44.115) 1(-38.978,-44.132) 1(-38.978,-44.132) 1(-38.978,-44.132) 1(-38.977,-44.145) 1(-38.977,-44.145) 1(-38.977,-44.145) 1(-38.977,-44.101) 1(-38.977,-44.101) 1(-38.977,-44.101) 1(-38.977,-44.13) 1(-38.977,-44.13) 1(-38.977,-44.13) 1(-38.976,-44.099) 1(-38.976,-44.099) 1(-38.976,-44.099) 1(-38.976,-44.114) 1(-38.976,-44.114) 1(-38.976,-44.114) 1(-38.976,-44.139) 1(-38.976,-44.139) 1(-38.976,-44.139) 1(-38.976,-44.126) 1(-38.976,-44.126) 1(-38.976,-44.126) 1(-38.976,-44.101) 1(-38.976,-44.101) 1(-38.976,-44.101) 1(-38.975,-44.103) 1(-38.975,-44.103) 1(-38.975,-44.103) 1(-38.975,-44.107) 1(-38.975,-44.107) 1(-38.975,-44.107) 1(-38.975,-44.105) 1(-38.975,-44.105) 1(-38.975,-44.105) 1(-38.975,-44.11) 1(-38.975,-44.11) 1(-38.975,-44.11) 1(-38.974,-44.15) 1(-38.974,-44.15) 1(-38.974,-44.15) 1(-38.974,-44.146) 1(-38.974,-44.146) 1(-38.974,-44.146) 1(-38.974,-44.113) 1(-38.974,-44.113) 1(-38.974,-44.113) 1(-38.974,-44.094) 1(-38.974,-44.094) 1(-38.974,-44.094) 1(-38.974,-44.118) 1(-38.974,-44.118) 1(-38.974,-44.118) 1(-38.974,-44.126) 1(-38.974,-44.126) 1(-38.974,-44.126) 1(-38.974,-44.122) 1(-38.974,-44.122) 1(-38.974,-44.122) 1(-38.974,-44.098) 1(-38.974,-44.098) 1(-38.974,-44.098) 1(-38.974,-44.134) 1(-38.974,-44.134) 1(-38.974,-44.134) 1(-38.974,-44.14) 1(-38.974,-44.14) 1(-38.974,-44.14) 1(-38.974,-44.129) 1(-38.974,-44.129) 1(-38.974,-44.129)
  round 0.001 on Mech3: 1(-39.049,-44.141) 1(-39.049,-44.141) 1(-39.049,-44.141) 1(-39.049,-44.141) 1(-39.049,-44.141) 1(-39.049,-44.141) 1(-39.049,-44.113) 1(-39.049,-44.113) 1(-39.049,-44.113) 1(-39.049,-44.113) 1(-39.049,-44.113) 1(-39.049,-44.113) 1(-39.049,-44.122) 1(-39.049,-44.122) 1(-39.049,-44.122) 1(-39.049,-44.122) 1(-39.049,-44.122) 1(-39.049,-44.122) 1(-39.049,-44.114) 1(-39.049,-44.114) 1(-39.049,-44.114) 1(-39.049,-44.114) 1(-39.049,-44.114) 1(-39.049,-44.114) 1(-39.048,-44.132) 1(-39.048,-44.132) 1(-39.048,-44.132) 1(-39.048,-44.131) 1(-39.048,-44.131) 1(-39.048,-44.131) 1(-39.048,-44.126) 1(-39.048,-44.126) 1(-39.048,-44.126) 1(-39.048,-44.123) 1(-39.048,-44.123) 1(-39.048,-44.123) 1(-39.048,-44.123) 1(-39.048,-44.123) 1(-39.048,-44.123) 1(-39.046,-44.139) 1(-39.046,-44.139) 1(-39.046,-44.139) 1(-39.046,-44.129) 1(-39.046,-44.129) 1(-39.046,-44.129) 1(-39.046,-44.129) 1(-39.046,-44.129) 1(-39.046,-44.129) 1(-39.045,-44.109) 1(-39.045,-44.109) 1(-39.045,-44.109) 1(-39.045,-44.109) 1(-39.045,-44.109) 1(-39.045,-44.109) 1(-39.045,-44.102) 1(-39.045,-44.102) 1(-39.045,-44.102) 1(-39.045,-44.123) 1(-39.045,-44.123) 1(-39.045,-44.123) 1(-39.045,-44.123) 1(-39.045,-44.123) 1(-39.045,-44.123) 1(-39.044,-44.109) 1(-39.044,-44.109) 1(-39.044,-44.109) 1(-39.044,-44.109) 1(-39.044,-44.109) 1(-39.044,-44.109) 1(-39.044,-44.109) 1(-39.044,-44.109) 1(-39.044,-44.109) 1(-39.044,-44.122) 1(-39.044,-44.122) 1(-39.044,-44.122) 1(-39.044,-44.119) 1(-39.044,-44.119) 1(-39.044,-44.119) 1(-39.044,-44.116) 1(-39.044,-44.116) 1(-39.044,-44.116) 1(-39.044,-44.114) 1(-39.044,-44.114) 1(-39.044,-44.114) 1(-39.044,-44.125) 1(-39.044,-44.125) 1(-39.044,-44.125) 1(-39.044,-44.125) 1(-39.044,-44.125) 1(-39.044,-44.125) 1(-39.044,-44.124) 1(-39.044,-44.124) 1(-39.044,-44.124) 1(-39.044,-44.124) 1(-39.044,-44.124) 1(-39.044,-44.124) 1(-39.044,-44.147) 1(-39.044,-44.147) 1(-39.044,-44.147) 1(-39.044,-44.147) 1(-39.044,-44.147) 1(-39.044,-44.147) 1(-39.043,-44.112) 1(-39.043,-44.112) 1(-39.043,-44.112) 1(-39.043,-44.104) 1(-39.043,-44.104) 1(-39.043,-44.104) 1(-39.043,-44.104) 1(-39.043,-44.104) 1(-39.043,-44.104) 1(-39.042,-44.126) 1(-39.042,-44.126) 1(-39.042,-44.126) 1(-39.042,-44.126) 1(-39.042,-44.126) 1(-39.042,-44.126) 1(-39.042,-44.124) 1(-39.042,-44.124) 1(-39.042,-44.124) 1(-39.042,-44.117) 1(-39.042,-44.117) 1(-39.042,-44.117) 1(-39.042,-44.117) 1(-39.042,-44.117) 1(-39.042,-44.117) 1(-39.042,-44.116) 1(-39.042,-44.116) 1(-39.042,-44.116) 1(-39.042,-44.116) 1(-39.042,-44.116) 1(-39.042,-44.116) 1(-39.041,-44.139) 1(-39.041,-44.139) 1(-39.041,-44.139) 1(-39.041,-44.139) 1(-39.041,-44.139) 1(-39.041,-44.139) 1(-39.041,-44.101) 1(-39.041,-44.101) 1(-39.041,-44.101) 1(-39.041,-44.101) 1(-39.041,-44.101) 1(-39.041,-44.101) 1(-39.04,-44.138) 1(-39.04,-44.138) 1(-39.04,-44.138) 1(-39.04,-44.138) 1(-39.04,-44.138) 1(-39.04,-44.138) 1(-39.04,-44.137) 1(-39.04,-44.137) 1(-39.04,-44.137) 1(-39.04,-44.137) 1(-39.04,-44.137) 1(-39.04,-44.137) 1(-39.04,-44.135) 1(-39.04,-44.135) 1(-39.04,-44.135) 1(-39.04,-44.129) 1(-39.04,-44.129) 1(-39.04,-44.129) 1(-39.04,-44.126) 1(-39.04,-44.126) 1(-39.04,-44.126) 1(-39.04,-44.125) 1(-39.04,-44.125) 1(-39.04,-44.125) 1(-39.04,-44.124) 1(-39.04,-44.124) 1(-39.04,-44.124) 1(-39.04,-44.123) 1(-39.04,-44.123) 1(-39.04,-44.123) 1(-39.04,-44.118) 1(-39.04,-44.118) 1(-39.04,-44.118) 1(-39.04,-44.116) 1(-39.04,-44.116) 1(-39.04,-44.116) 1(-39.04,-44.116) 1(-39.04,-44.116) 1(-39.04,-44.116) 1(-39.04,-44.114) 1(-39.04,-44.114) 1(-39.04,-44.114) 1(-39.04,-44.113) 1(-39.04,-44.113) 1(-39.04,-44.113) 1(-39.04,-44.123) 1(-39.04,-44.123) 1(-39.04,-44.123) 1(-39.04,-44.123) 1(-39.04,-44.123) 1(-39.04,-44.123) 1(-39.04,-44.113) 1(-39.04,-44.113) 1(-39.04,-44.113) 1(-39.04,-44.113) 1(-39.04,-44.113) 1(-39.04,-44.113) 1(-39.04,-44.112) 1(-39.04,-44.112) 1(-39.04,-44.112) 1(-39.04,-44.112) 1(-39.04,-44.112) 1(-39.04,-44.112) 1(-39.039,-44.118) 1(-39.039,-44.118) 1(-39.039,-44.118) 1(-39.039,-44.116) 1(-39.039,-44.116) 1(-39.039,-44.116) 1(-39.039,-44.123) 1(-39.039,-44.123) 1(-39.039,-44.123) 1(-39.039,-44.114) 1(-39.039,-44.114) 1(-39.039,-44.114) 1(-39.038,-44.112) 1(-39.038,-44.112) 1(-39.038,-44.112) 1(-39.038,-44.112) 1(-39.038,-44.112) 1(-39.038,-44.112) 1(-39.034,-44.112) 1(-39.034,-44.112) 1(-39.034,-44.112) 1(-39.034,-44.112) 1(-39.034,-44.112) 1(-39.034,-44.112) 1(-39.033,-44.141) 1(-39.033,-44.141) 1(-39.033,-44.141) 1(-39.033,-44.141) 1(-39.033,-44.141) 1(-39.033,-44.141) 1(-39.033,-44.113) 1(-39.033,-44.113) 1(-39.033,-44.113) 1(-39.033,-44.113) 1(-39.033,-44.113) 1(-39.033,-44.113) 1(-39.033,-44.101) 1(-39.033,-44.101) 1(-39.033,-44.101) 1(-39.033,-44.101) 1(-39.033,-44.101) 1(-39.033,-44.101) 1(-39.031,-44.148) 1(-39.031,-44.148) 1(-39.031,-44.148) 1(-39.031,-44.143) 1(-39.031,-44.143) 1(-39.031,-44.143) 1(-39.031,-44.148) 1(-39.031,-44.148) 1(-39.031,-44.148) 1(-39.031,-44.148) 1(-39.031,-44.148) 1(-39.031,-44.148) 1(-39.03,-44.099) 1(-39.03,-44.099) 1(-39.03,-44.099) 1(-39.03,-44.099) 1(-39.03,-44.099) 1(-39.03,-44.099) 1(-39.026,-44.147) 1(-39.026,-44.147) 1(-39.026,-44.147) 1(-39.026,-44.147) 1(-39.026,-44.147) 1(-39.026,-44.147) 1(-39.025,-44.146) 1(-39.025,-44.146) 1(-39.025,-44.146) 1(-39.025,-44.146) 1(-39.025,-44.146) 1(-39.025,-44.146) 1(-39.025,-44.145) 1(-39.025,-44.145) 1(-39.025,-44.145) 1(-39.015,-44.148) 1(-39.015,-44.148) 1(-39.015,-44.148) 1(-39.011,-44.146) 1(-39.011,-44.146) 1(-39.011,-44.146) 1(-39.011,-44.146) 1(-39.011,-44.146) 1(-39.011,-44.146) 1(-39.011,-44.145) 1(-39.011,-44.145) 1(-39.011,-44.145) 1(-39.01,-44.146) 1(-39.01,-44.146) 1(-39.01,-44.146) 1(-39.01,-44.146) 1(-39.01,-44.146) 1(-39.01,-44.146) 1(-39.004,-44.137) 1(-39.004,-44.137) 1(-39.004,-44.137) 1(-39.004,-44.134) 1(-39.004,-44.134) 1(-39.004,-44.134) 1(-39.004,-44.134) 1(-39.004,-44.134) 1(-39.004,-44.134) 1(-39.004,-44.13) 1(-39.004,-44.13) 1(-39.004,-44.13) 1(-39.004,-44.13) 1(-39.004,-44.13) 1(-39.004,-44.13) 1(-39.002,-44.128) 1(-39.002,-44.128) 1(-39.002,-44.128) 1(-39.002,-44.128) 1(-39.002,-44.128) 1(-39.002,-44.128) 1(-38.997,-44.146) 1(-38.997,-44.146) 1(-38.997,-44.146) 1(-38.997,-44.146) 1(-38.997,-44.146) 1(-38.997,-44.146) 1(-38.997,-44.146) 1(-38.997,-44.146) 1(-38.997,-44.146) 1(-38.997,-44.146) 1(-38.997,-44.146) 1(-38.997,-44.146) 1(-38.997,-44.145) 1(-38.997,-44.145) 1(-38.997,-44.145) 1(-38.996,-44.128) 1(-38.996,-44.128) 1(-38.996,-44.128) 1(-38.996,-44.128) 1(-38.996,-44.128) 1(-38.996,-44.128) 1(-38.994,-44.127) 1(-38.994,-44.127) 1(-38.994,-44.127) 1(-38.994,-44.127) 1(-38.994,-44.127) 1(-38.994,-44.127) 1(-38.991,-44.127) 1(-38.991,-44.127) 1(-38.991,-44.127) 1(-38.991,-44.127) 1(-38.991,-44.127) 1(-38.991,-44.127) 1(-38.987,-44.099) 1(-38.987,-44.099) 1(-38.987,-44.099) 1(-38.987,-44.099) 1(-38.987,-44.099) 1(-38.987,-44.099) 1(-38.987,-44.127) 1(-38.987,-44.127) 1(-38.987,-44.127) 1(-38.987,-44.127) 1(-38.987,-44.127) 1(-38.987,-44.127) 1(-38.986,-44.128) 1(-38.986,-44.128) 1(-38.986,-44.128) 1(-38.986,-44.128) 1(-38.986,-44.128) 1(-38.986,-44.128) 1(-38.986,-44.128) 1(-38.986,-44.128) 1(-38.986,-44.128) 1(-38.986,-44.1) 1(-38.986,-44.1) 1(-38.986,-44.1) 1(-38.986,-44.1) 1(-38.986,-44.1) 1(-38.986,-44.1) 1(-38.98,-44.11) 1(-38.98,-44.11) 1(-38.98,-44.11) 1(-38.98,-44.109) 1(-38.98,-44.109) 1(-38.98,-44.109) 1(-38.98,-44.1) 1(-38.98,-44.1) 1(-38.98,-44.1) 1(-38.98,-44.1) 1(-38.98,-44.1) 1(-38.98,-44.1) 1(-38.98,-44.1) 1(-38.98,-44.1) 1(-38.98,-44.1)